# Altium PCB droneM24.PcbDoc
Units mm, origin at the board's own origin, x right, y up, seen from the top; angles counter-clockwise.
Board outline 72 x 72 mm, 2 copper layers (Top Layer, Bottom Layer); 12 components, 17 nets, 73 pads, 10 vias.
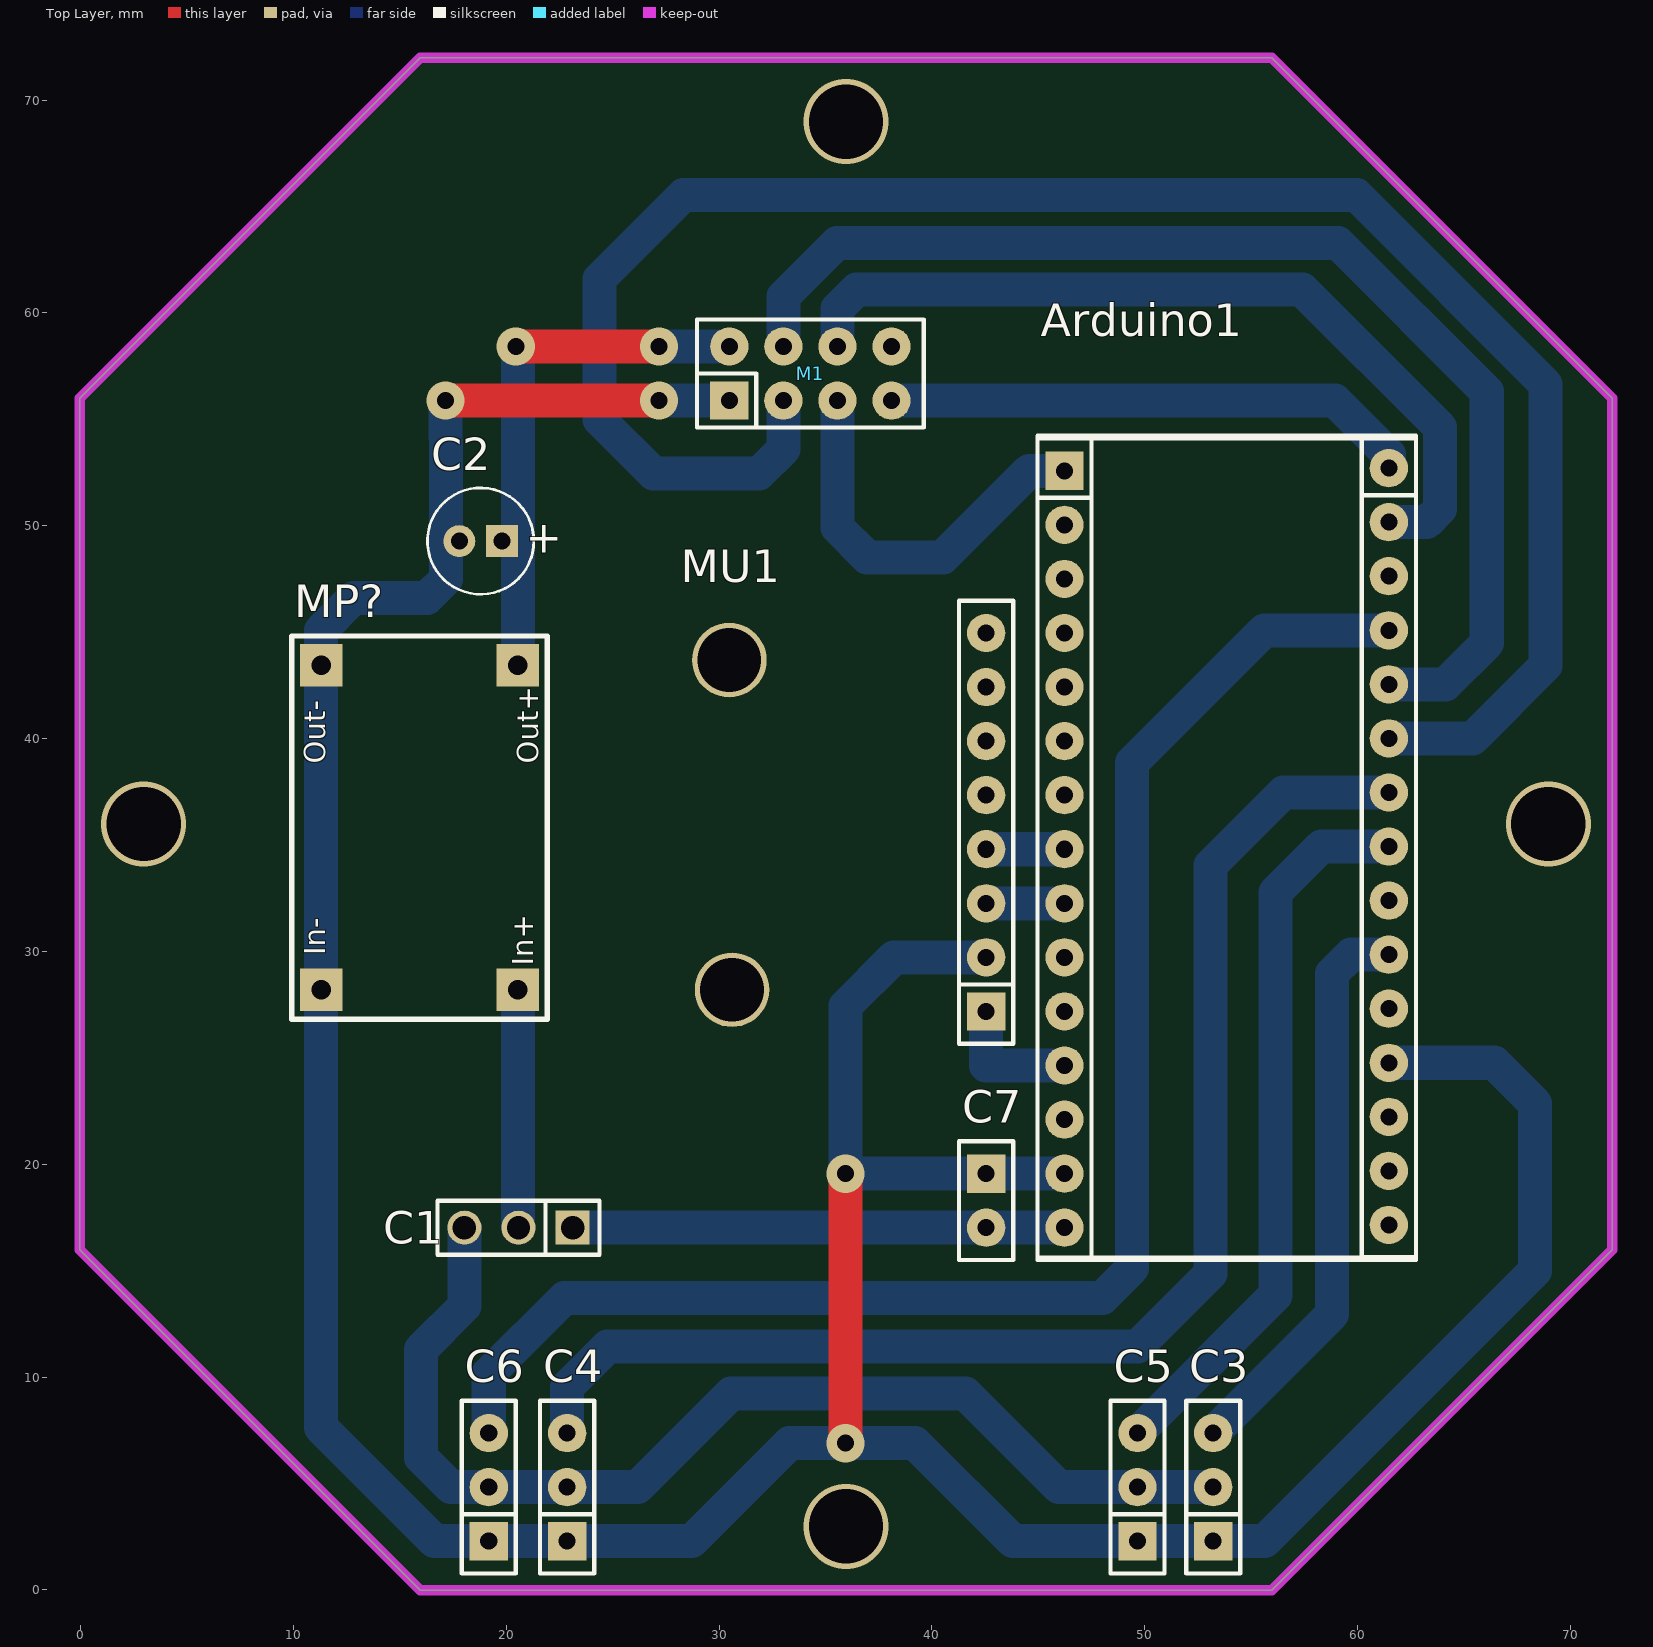
[diagram p0: Top Layer view]
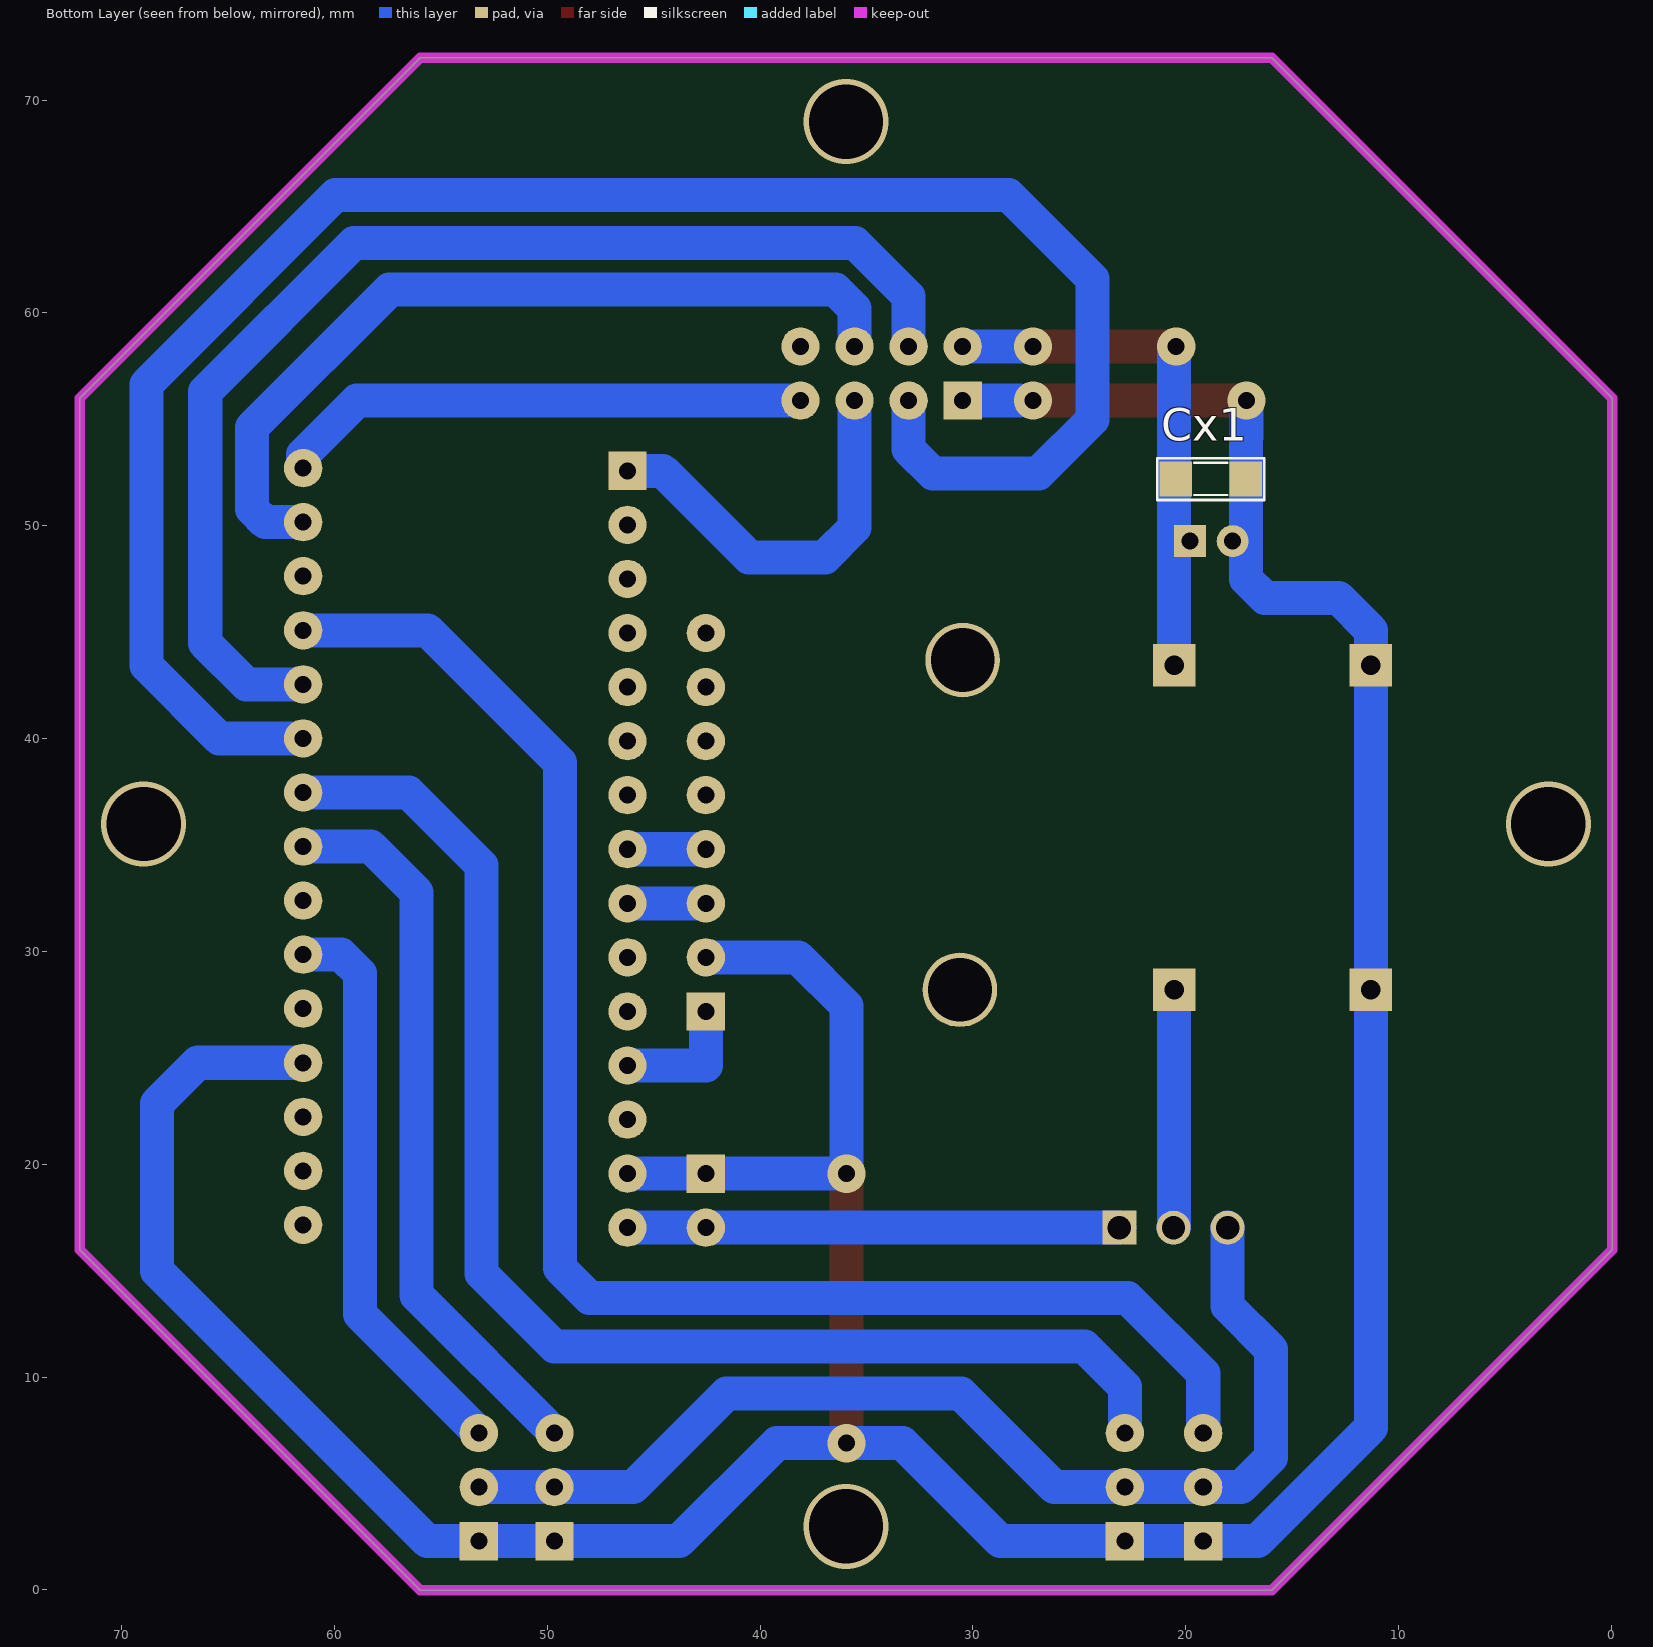
[diagram p1: Bottom Layer view, seen from below]

## Layer stack, top to bottom
Top Solder: solder mask 0.0102, Solder Resist, Dk 3.5
Top Layer: signal copper 0.0356
Dielectric 1: dielectric 0.32, FR-4, Dk 4.8
Bottom Layer: signal copper 0.0356
Bottom Solder: solder mask 0.0102, Solder Resist, Dk 3.5

## Board outline
-0.038,15.984 -0.038,55.984 15.962,71.984 55.962,71.984 71.962,55.984 71.962,15.984 55.962,-0.016 15.962,-0.016

## Design rules (kind name [scope] priority, off if disabled: settings)
Clearance [All] p1: gap=0.6 ignorepadtopadclearanceinfootprint=TRUE
PolygonConnect [All] p1: connectstyle=Relief reliefconductorwidth=0.254 reliefentries=4 polygonreliefangle="90 Angle" airgapwidth=0.254
RoomDefinition droneM24 [InComponentClass('droneM24')] p1: confinementstyle=ConfineIn formatcopy=TRUE lockcomponents=FALSE outline -75.819,-29.845 -25.019,-29.845 -25.019,-4.445 -75.819,-4.445
RoutingVias [All] p1: holewidth=0.711 width=1.27 viastyle="Through Hole" minholewidth=0.711 minwidth=1.27 maxholewidth=0.711 maxwidth=1.27
SolderMaskExpansion [All] p1: expansion=0.102
Width [All] p1: maxlimit=3 minlimit=1 preferedwidth=1.6
30 further rules are at their usual default settings.

## Components (designator, comment, footprint, x,y, rotation, side; value= is the part's Value field where it differs from the comment)
Arduino1 "Arduino Nano" "Arduino Nano" 53.086,34.671 r180 top value="Cau 1A"
C1 "JP3" JP3-D1T 23.114,17.018 r180 top
C2 "CN-ALU-DIP" CA-ALU-5 18.796,49.276 r180 top value=104
C3 "JP3" JP3-C1T 53.213,2.286 r90 top
C4 "JP3" JP3-C1T 22.86,2.286 r90 top
C5 "JP3" JP3-C1T 49.657,2.286 r90 top
C6 "JP3" JP3-C1T 19.177,2.286 r90 top
C7 "JP2" JP2-C1T 42.545,19.558 r270 top
Cx1 "XXpF" CN-SMD-1206 18.796,52.197 r0 bottom value=33pF
M1 "NRF24L01" NRF24L01 34.29,57.15 r0 top
MP? "MP2307 DC-DC Switching Buck Step-Down Module" Mini360 21.991,26.69 r90 top
MU1 "MPU6050" MPU6050 35.052,32.766 r90 top

## Footprints (in the part's own frame and the unit in brackets; to place one, negate y for a bottom-side part, rotate by r counter-clockwise, add the part's x,y. Pads: shape width x height; smd on the part's side, far side on the other; paste and mask are expansions set on the pad)
"Arduino Nano" [mm]
  round 1.8 hole 0.8: 3V3(6.858,-15.367) 5V(6.858,10.033) A0(6.858,-10.287) A1(6.858,-7.747) A2(6.858,-5.207) A3(6.858,-2.667) A4(6.858,-0.127) A5(6.858,2.413) A6(6.858,4.953) A7(6.858,7.493) D2(-8.382,7.366) D3(-8.382,4.826) D4(-8.382,2.286) D5(-8.382,-0.254) D6(-8.382,-2.794) D7(-8.382,-5.334) D8(-8.382,-7.874) D9(-8.382,-10.414) D10(-8.382,-12.954) D11(-8.382,-15.494) D12(-8.382,-18.034) GND(-8.382,9.906) GND(6.858,15.113) REF(6.858,-12.827) RST(-8.382,12.446) RST(6.858,12.573) RX0(-8.382,14.986) TX1(-8.382,17.526) VIN(6.858,17.653)
  rect 1.8x1.8 hole 0.8: D13(6.858,-17.907)
  silkscreen extent -9.65,-19.55 8.13,19.18, body extent -9.65,-23.48 8.14,21.44, height 21.18
CA-ALU-5 [mm] "Polarized capacitors, Aluminum Electrolytic Capacitors, 2-Leads, Body 5x11x2x0.5"
  rect 1.5x1.5 hole 0.8: 1(-1,0)
  round 1.5 hole 0.8: 2(1,0)
  silkscreen extent -2.5,-2.5 2.5,2.5, body extent -2.41,-2.5 2.59,2.5, height 11
CN-SMD-1206 [mil]
  rect 60x65 smd: 1(-64,0) 2(66,0)
  silkscreen extent -98,-38 100,39, body extent -63,-31 63,31, height 40
JP2-C1T [mm] "2 row, straight, gold plating"
  rect 1.8x1.8 hole 0.8: 1(0,0)
  round 1.8 hole 0.8: 2(2.54,0)
  silkscreen extent -1.52,-1.27 4.06,1.27, body extent -1.52,-1.25 4.06,1.25, height 8.51
JP3-C1T [mm] "3 row, straight, gold plating"
  rect 1.8x1.8 hole 0.8: 1(0,0)
  round 1.8 hole 0.8: 2(2.54,0) 3(5.08,0)
  silkscreen extent -1.52,-1.27 6.6,1.27, body extent -1.52,-1.25 6.6,1.25, height 8.51
JP3-D1T [mm] "3 pins, 1 row, straight, gold plating"
  rect 1.6x1.6 hole 1.1: 1(0,0)
  round 1.6 hole 1.1: 2(2.54,0) 3(5.08,0)
  silkscreen extent -1.27,-1.27 6.35,1.27, body extent -1.27,-1.27 6.35,1.27, height 8.54
Mini360 [mm]
  rect 2.002x2.002 hole 0.914: 1(1.506,10.688) 2(1.506,1.45) 3(16.744,1.45) 4(16.744,10.688)
  silkscreen extent 0.12,0.07 18.12,12.07
MPU6050 [mm]
  rect 1.8x1.8 hole 0.8: 1(-5.588,-7.493)
  round 3.5 hole 3: 2(-4.572,4.445) 2(10.922,4.572)
  round 1.8 hole 0.8: 2(-3.048,-7.493) 3(-0.508,-7.493) 4(2.032,-7.493) 5(4.572,-7.493) 6(7.112,-7.493) 7(9.652,-7.493) 8(12.192,-7.493)
  silkscreen extent -7.11,-8.76 13.71,-6.22, body extent -7.37,-8.76 13.74,7.11, height 14.54
NRF24L01 [mm]
  rect 1.8x1.8 hole 0.8: 1(-3.81,-1.27)
  round 1.8 hole 0.8: 2(-1.27,-1.27) 3(1.27,-1.27) 4(3.81,-1.27) 5(3.81,1.27) 6(1.27,1.27) 7(-1.27,1.27) 8(-3.81,1.27)
  silkscreen extent -5.33,-2.54 5.33,2.54, body extent -5.85,-2.79 9.15,26.21, height 15.4

## Part data
Arduino1: "Arduino NANO", ="Cau 5A"
C1 C3 C4 C5 C6: "WR-PHD 2.54 mm Angled Socket Header", Manufacturer="Würth Elektronik eiSos GmbH", partNo=613003143121, ComponentLink1 Description=Manufacturer, ComponentLink1URL=http://www.we-online.com, ComponentLink2 Description=Datasheet, ComponentLink2URL=http://katalog.we-online.de/em/datasheet/6130xx143121.pdf, Created by="Karrer Zheng", Created Date="29 March 2013", NoPins=03
C2: "Capacitor (Semiconductor SIM Model)", LatestRevisionDate=17-Jul-2002, LatestRevisionNote="Re-released for DXP Platform.", PackageReference=C1206, Publisher="Altium Limited"
C7: "WR-PHD 2.54 mm Angled Socket Header", Manufacturer="Würth Elektronik eiSos GmbH", partNo=613002143121, ComponentLink1 Description=Manufacturer, ComponentLink1URL=http://www.we-online.com, ComponentLink2 Description=Datasheet, ComponentLink2URL=http://katalog.we-online.de/em/datasheet/6130xx143121.pdf, Created by="Karrer Zheng", Created Date="29 March 2013", NoPins=02
Cx1: library part CN
MP?: library part "MP2307 Module"
MU1: Manufacturer="Würth Elektronik eiSos GmbH", partNo=613004143121, ComponentLink1 Description=Manufacturer, ComponentLink1URL=http://www.we-online.com, ComponentLink2 Description=Datasheet, ComponentLink2URL=http://katalog.we-online.de/em/datasheet/6130xx143121.pdf, Created by="Karrer Zheng", Created Date="29 March 2013", NoPins=04

## Via types
v1: diameter 1.8, hole 0.8, Top Layer to Bottom Layer, 6 vias
v2: diameter 4, hole 3.5, Top Layer to Bottom Layer, 4 vias

## Nets (pads, with @x,y where several pads share a name; then routed paths per layer and width w, separated by ;. In a path a pad name is that pad's centre, name@x,y a point inside that pad or via, vN(x,y) a via of type N, cw(c..) or ccw(c..) an arc to the next point about the centre after c; other vN are vias at no path point)
+5: C1.3 C3.2 C4.2 C5.2 C6.2 | length 53.1
  Bottom Layer w1.6: C1.3 18.034,13.335 16.002,11.303 16.002,6.223 17.399,4.826 C6.2 C4.2 26.162,4.826 30.566,9.23 41.57,9.23 45.974,4.826 C5.2 C3.2
CE: Arduino1.D7 M1.2 | length 90.8
  Bottom Layer w1.6: M1.2 33.02,53.594 31.877,52.451 26.924,52.451 24.384,54.991 24.384,61.595 28.321,65.532 59.944,65.532 68.834,56.642 68.834,43.434 65.405,40.005 Arduino1.D7
CLK: Arduino1.D13 M1.3 | length 18.9
  Bottom Layer w1.6: M1.3 35.56,49.911 36.957,48.514 40.513,48.514 44.577,52.578 Arduino1.D13
CSN: Arduino1.D8 M1.7 | length 56.6
  Bottom Layer w1.6: M1.7 33.02,60.769 35.538,63.287 59.078,63.287 66.068,56.297 66.068,44.478 64.135,42.545 Arduino1.D8
GND: Arduino1.GND C2.2 C3.1 C4.1 C5.1 C6.1 C7.1 Cx1.1 M1.1 MP?.1 MP?.4 MU1.2@42.545,29.718 | length 187.4
  Top Layer w1.6: v1(17.145,55.88) v1(27.178,55.88) ; v1(35.941,6.892) v1(35.941,19.558)
  Bottom Layer w1.6: v1(17.145,55.88) Cx1.1 17.17,47.498 16.281,46.609 12.827,46.609 11.303,45.085 MP?.4 MP?.1 11.303,7.62 16.637,2.286 C6.1 C4.1 28.702,2.286 33.308,6.892 v1(35.941,6.892) 39.209,6.892 43.815,2.286 C5.1 C3.1 55.626,2.286 68.326,14.986 68.326,22.86 66.421,24.765 Arduino1.GND@61.468,24.765 ; v1@27.813,55.88 M1.1 ; C7.1@42.291,19.558 v1(35.941,19.558) 35.941,27.432 38.227,29.718 MU1.2@42.545,29.718 ; C7.1 Arduino1.GND@46.228,19.558
LB: Arduino1.D5 C5.3 | length 34.3
  Bottom Layer w1.6: C5.3 56.134,13.843 56.134,32.766 58.293,34.925 Arduino1.D5
LF: Arduino1.D3 C3.3 | length 26.9
  Bottom Layer w1.6: C3.3 58.801,12.954 58.801,28.956 59.69,29.845 Arduino1.D3
MISO: Arduino1.D12 M1.4 | length 25.1
  Bottom Layer w1.6: M1.4 58.928,55.88 61.468,53.34 Arduino1.D12
MOSI: Arduino1.D11 M1.6 | length 39.6
  Bottom Layer w1.6: M1.6 35.56,60.198 36.449,61.087 57.404,61.087 63.868,54.623 63.868,50.787 63.246,50.165 Arduino1.D11
NetArduino1_5V: Arduino1.5V MU1.1 | length 6.2
  Bottom Layer w1.6: MU1.1 42.545,24.638 Arduino1.5V
NetArduino1_A4: Arduino1.A4 MU1.4 | length 3.7
  Bottom Layer w1.6: MU1.4 Arduino1.A4
NetArduino1_A5: Arduino1.A5 MU1.3 | length 3.7
  Bottom Layer w1.6: MU1.3 Arduino1.A5
NetC1_2: C1.2 MP?.2 | length 11.2
  Bottom Layer w1.6: MP?.2 20.541,17.051 C1.2
NetC2_1: C2.1 Cx1.2 M1.8 MP?.3 | length 25
  Top Layer w1.6: v1(20.447,58.42) v1(27.178,58.42)
  Bottom Layer w1.6: MP?.3 v1@20.541,58.42 ; v1(27.178,58.42) M1.8
RB: Arduino1.D9 C6.3 | length 73.5
  Bottom Layer w1.6: C6.3 19.177,10.16 22.733,13.716 48.006,13.716 49.403,15.113 49.403,38.862 55.626,45.085 Arduino1.D9
RF: Arduino1.D6 C4.3 | length 63.6
  Bottom Layer w1.6: C4.3 22.86,9.525 24.765,11.43 49.657,11.43 53.086,14.859 53.086,34.036 56.515,37.465 Arduino1.D6
VCC: Arduino1.VIN C1.1 C7.2 | length 23.1
  Bottom Layer w1.6: C1.1 C7.2 Arduino1.VIN
pads on no net: Arduino1.3V3 Arduino1.A0 Arduino1.A1 Arduino1.A2 Arduino1.A3 Arduino1.A6 Arduino1.A7 Arduino1.D2 Arduino1.D4 Arduino1.D10 Arduino1.REF Arduino1.RST Arduino1.RX0 Arduino1.TX1 M1.5 MU1.2@30.48,43.688 MU1.2@30.607,28.194 MU1.5 MU1.6 MU1.7 MU1.8
copper on no net: | length 0.1
  Bottom Layer w0.254: v2@68.834,36.112 v2@68.834,36.195
  other v2: 35.962,2.984 2.962,35.984 68.962,35.984 35.962,68.984

## Keep-outs
Keep-Out Layer:
  the board outline again, w0.508

## Text inside footprints (layer, text, board x,y; h text height)
C2: Top Overlay "+" at 22.621,50.013 h1.5 r180
MP?: Top Overlay "Out-" at 11.49,38.815 h1 r90; Top Overlay "Out+" at 21.491,38.815 h1 r90; Top Overlay "In+" at 21.263,29.314 h1 r90; Top Overlay "In-" at 11.49,29.815 h1 r90